# Altium PCB roach2.PcbDoc (part 25 of 39) (continued)
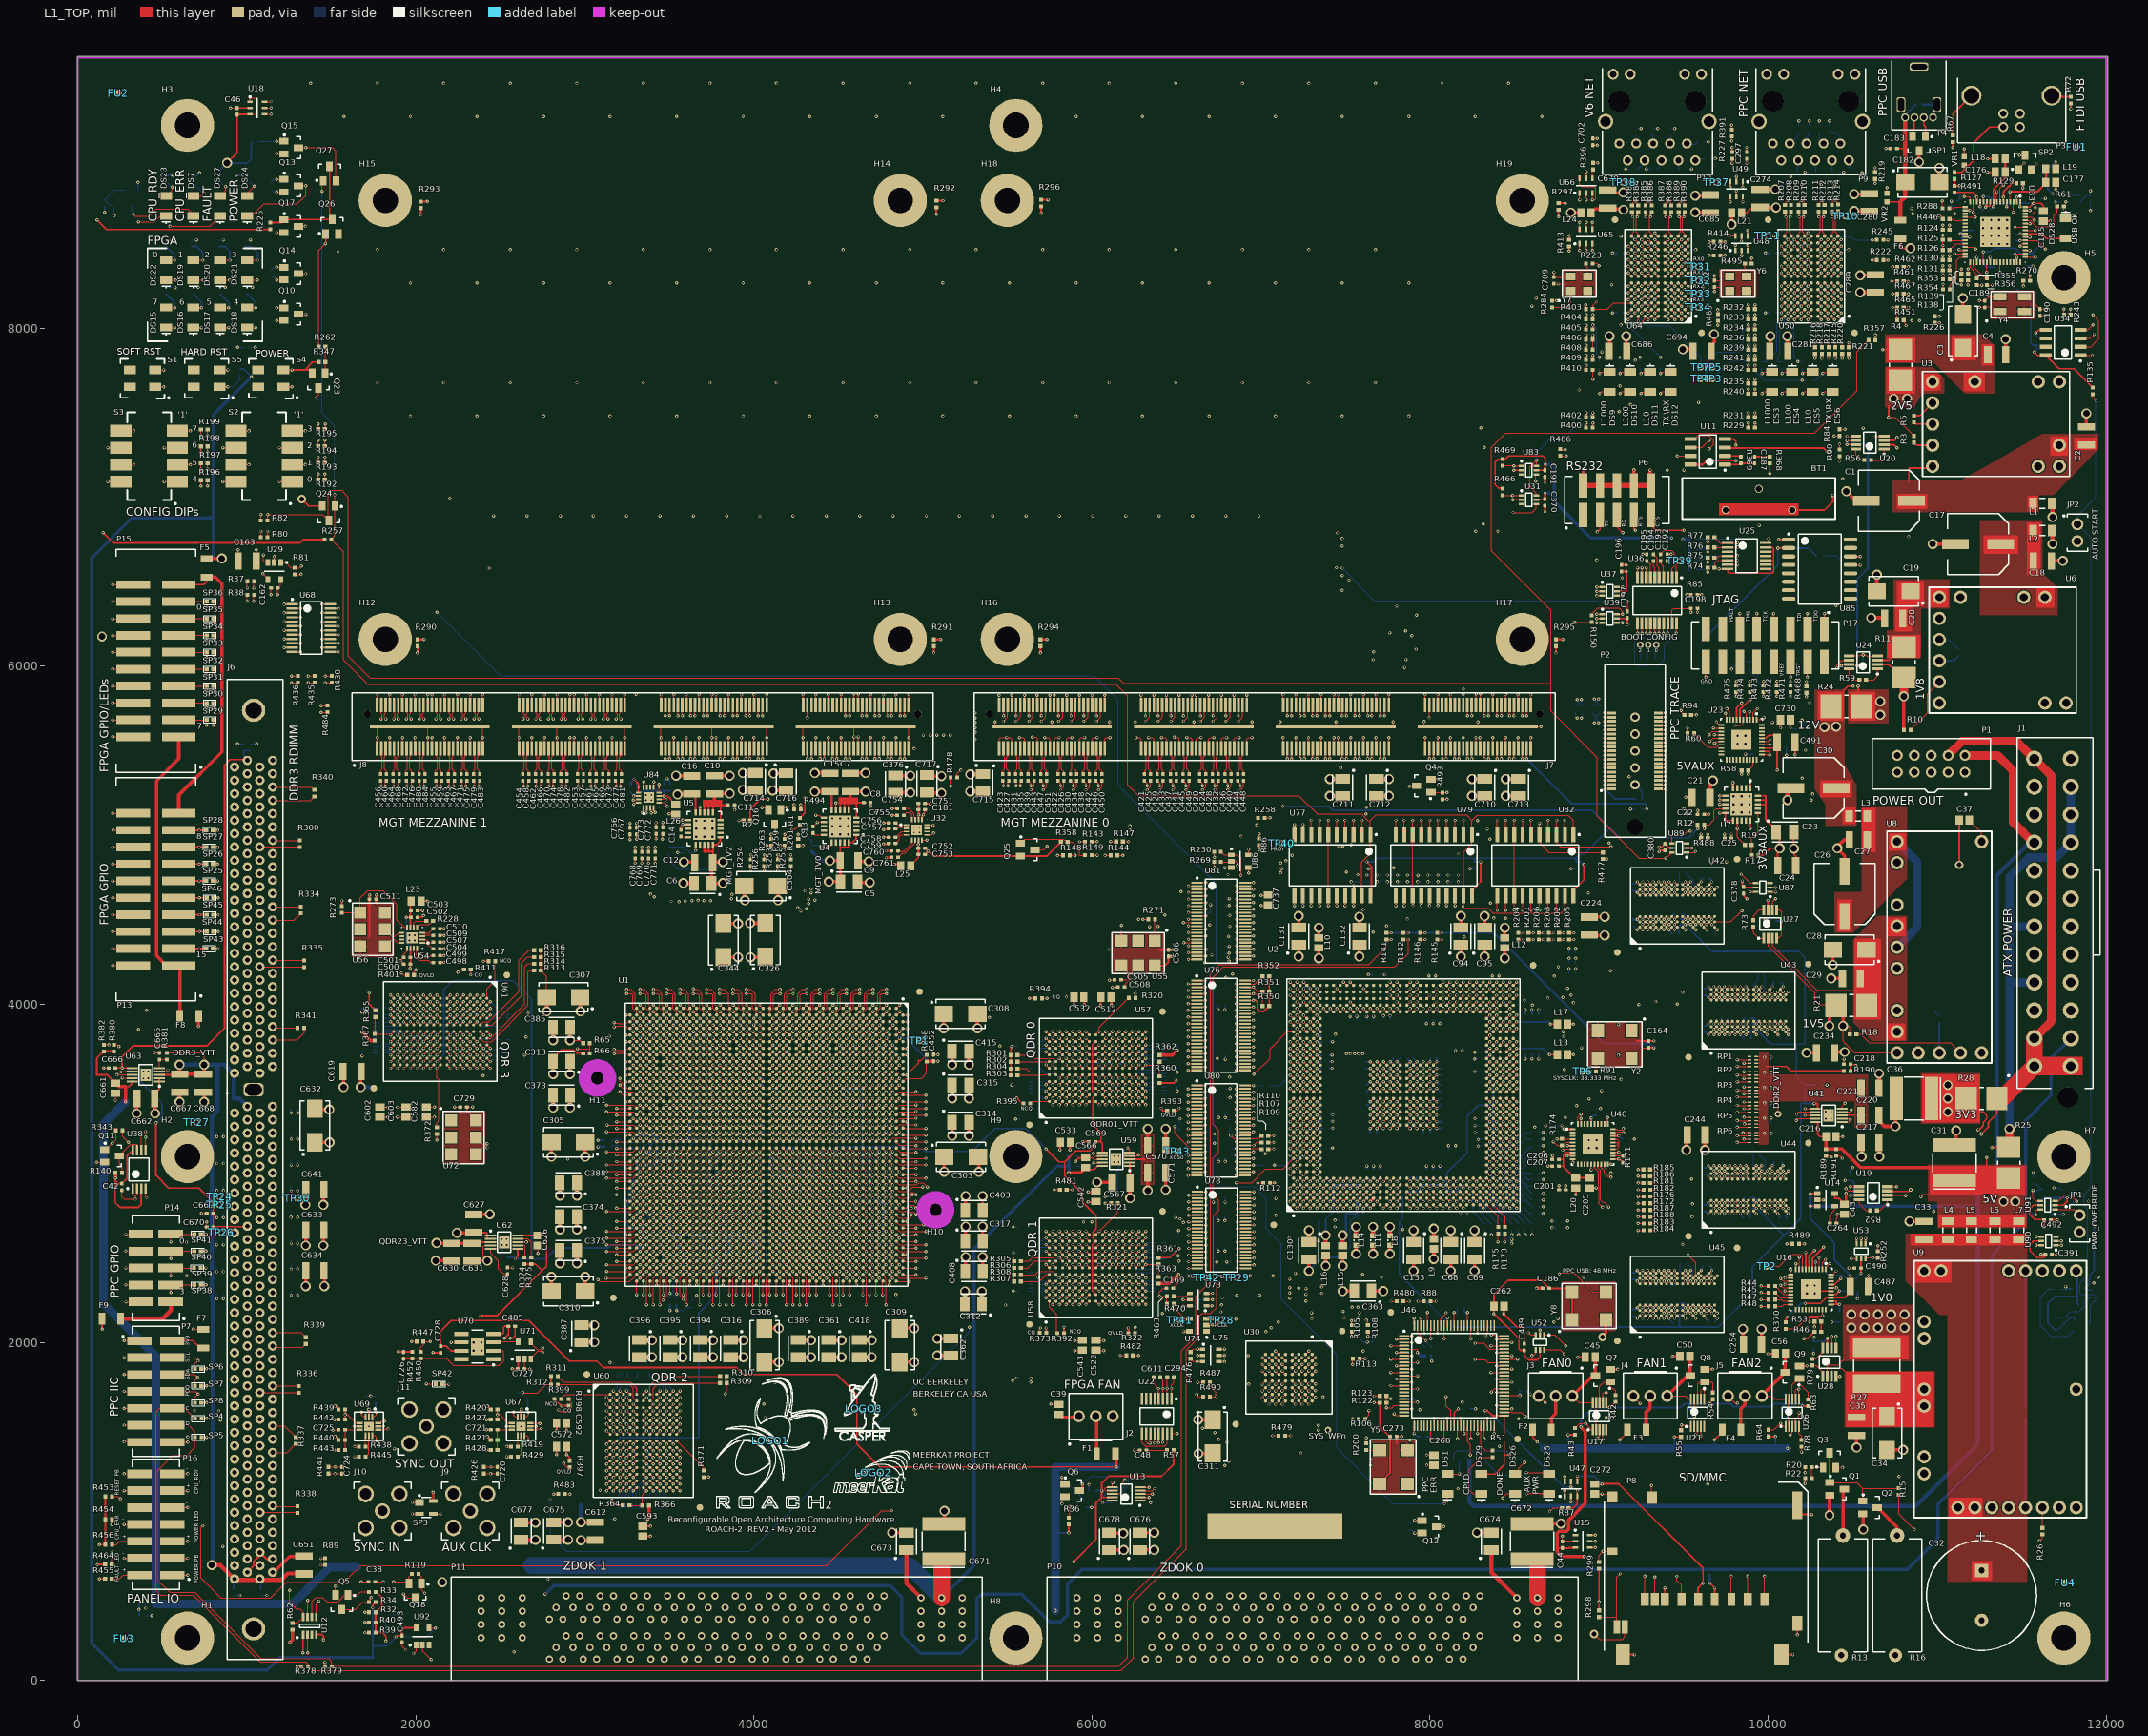
[diagram p0: L1_TOP view]
## Nets (pads, with @x,y where several pads share a name; then routed paths per layer and width w, separated by ;. In a path a pad name is that pad's centre, name@x,y a point inside that pad or via, vN(x,y) a via of type N, cw(c..) or ccw(c..) an arc to the next point about the centre after c; other vN are vias at no path point) (continued)
  L1_TOP w5: U2.AM27@8413.86,3837.01 v1(8433.54,3856.69) ; R206.1@8642.99,4383.31 8670.68,4383.31 v2(8670.99,4383.62)
  L12_S w3.8: v1(8433.54,3856.69) 8457.31,3880.46 8457.31,4138.75 8467.56,4148.99 8534.99,4148.99 8670.99,4284.99 8670.99,4298.59 ccw(c8666.59,4298.59) 8666.59,4302.99 8625.66,4302.99 cw(c8625.66,4307.39) 8621.26,4307.39 cw(c8625.66,4307.39) 8625.66,4311.79 8702.67,4311.79 ccw(c8702.67,4316.19) 8707.07,4316.19 ccw(c8702.67,4316.19) 8702.67,4320.59 8675.39,4320.59 cw(c8675.39,4324.99) 8670.99,4324.99 v2(8670.99,4383.62)
NetR206_2: R206.2 U50.E2 | length 5376.2
  L1_TOP w5: R206.2@8642.99,4422.68 8670.68,4422.68 v2(8670.99,4422.99) ; U50.E2@10374.02,8228.35 v1(10393.7,8208.66)
  L5_S w3.8: v2(8670.99,4422.99) 8670.99,4466.99 8713.59,4509.59 8713.59,4564.02 8711.19,4566.42 8711.19,5068.53 8721.39,5078.73 8721.39,5083.89 8741.53,5104.02 8757.65,5104.02 8956.59,5302.96 8956.59,5603.21 8929.09,5630.71 8929.09,5829.1 9054.59,5954.6 9054.59,7131.33 9047.79,7138.13 9047.79,7227.8 9210.39,7390.39 9219.19,7390.39 cw(c9219.19,7385.99) 9223.59,7385.99 9223.59,7382.94 ccw(c9227.99,7382.94) 9227.99,7378.54 ccw(c9227.99,7382.94) 9232.39,7382.94 9232.39,7385.99 cw(c9236.79,7385.99) 9236.79,7390.39 9534.99,7390.39 9774.59,7629.99 9774.59,8219.63 9897.34,8342.37 10400.16,8342.37 10409.3,8333.23 10409.3,8224.26 v1(10393.7,8208.66)
NetR215_1: R215.1 U2.AL28 | length 6343.8
  L1_TOP w5: U2.AL28@8374.49,3876.38 v1(8394.17,3896.06) ; v2(10397.99,7821.73) R215.1@10397.99,7848.31
  L5_S w3.8: v1(8394.17,3896.06) 8411.48,3896.06 8427.08,3880.46 8440.01,3880.46 8449.14,3889.6 8449.14,3894.36 8466.82,3912.03 8502.03,3912.03 8508.99,3918.99 8540.99,3918.99 8578.59,3956.59 8578.59,3992.59 8588.99,4002.99 8588.99,4055.59 8688.62,4155.22 8724.7,4155.22 8728.53,4151.39 8891.86,4151.39 8932.39,4191.92 8932.39,4564.56 8843.59,4653.36 8843.59,4789.53 8850.59,4796.53 8850.59,4959.56 9115.59,5224.56 9115.59,5772.63 9188.56,5845.59 9276.63,5845.59 9785,6353.97 9785,7090 9719.59,7155.41 9719.59,7327.83 9787.36,7395.59 9957.59,7395.59 9992.99,7430.99 10219.19,7430.99 cw(c10219.19,7426.59) 10223.59,7426.59 10223.59,7401.19 ccw(c10227.99,7401.19) 10227.99,7396.79 ccw(c10227.99,7401.19) 10232.39,7401.19 10232.39,7464.79 cw(c10236.79,7464.79) 10236.79,7469.19 cw(c10236.79,7464.79) 10241.19,7464.79 10241.19,7401.19 ccw(c10245.59,7401.19) 10245.59,7396.79 ccw(c10245.59,7401.19) 10249.99,7401.19 10249.99,7464.79 cw(c10254.39,7464.79) 10254.39,7469.19 cw(c10254.39,7464.79) 10258.79,7464.79 10258.79,7401.19 ccw(c10263.19,7401.19) 10263.19,7396.79 ccw(c10263.19,7401.19) 10267.59,7401.19 10267.59,7464.79 cw(c10271.99,7464.79) 10271.99,7469.19 cw(c10271.99,7464.79) 10276.39,7464.79 10276.39,7401.19 ccw(c10280.79,7401.19) 10280.79,7396.79 ccw(c10280.79,7401.19) 10285.19,7401.19 10285.19,7464.79 cw(c10289.59,7464.79) 10289.59,7469.19 cw(c10289.59,7464.79) 10293.99,7464.79 10293.99,7401.19 ccw(c10298.39,7401.19) 10298.39,7396.79 ccw(c10298.39,7401.19) 10302.79,7401.19 10302.79,7464.79 cw(c10307.19,7464.79) 10307.19,7469.19 cw(c10307.19,7464.79) 10311.59,7464.79 10311.59,7401.19 ccw(c10315.99,7401.19) 10315.99,7396.79 ccw(c10315.99,7401.19) 10320.39,7401.19 10320.39,7473.54 cw(c10324.79,7473.54) 10324.79,7477.94 cw(c10324.79,7473.54) 10329.19,7473.54 10329.19,7435.39 ccw(c10333.59,7435.39) 10333.59,7430.99 10342.39,7430.99 10356.51,7445.11 10356.51,7521.48 10397.99,7562.96 v2(10397.99,7821.73)
NetR215_2: R215.2 U50.B2 | length 361.6
  L1_TOP w5: U50.B2@10374.02,8110.24 v1(10393.7,8090.55) ; R215.2@10397.99,7887.68 v3(10397.99,7914.26)
  L3_S w3.8: v1(10393.7,8090.55) 10412.99,8071.26 10412.99,8018.99 10397.99,8003.99 10397.99,7952.99 ccw(c10402.39,7952.99) 10402.39,7948.59 10425.12,7948.59 cw(c10425.12,7944.19) 10429.52,7944.19 cw(c10425.12,7944.19) 10425.12,7939.79 10370.86,7939.79 ccw(c10370.86,7935.39) 10366.46,7935.39 ccw(c10370.86,7935.39) 10370.86,7930.99 10397.99,7930.99 v3(10397.99,7914.26)
NetR216_1: R216.1 U2.AP29 | length 6295.3
  L1_TOP w5: U2.AP29@8492.6,3915.75 v1(8512.28,3935.43) ; v2(10277.99,7821.73) R216.1@10277.99,7848.31
  L5_S w3.8: v2(8758.99,4220.99) 8777.36,4202.62 8809.3,4202.62 8816.53,4195.39 8868.83,4195.39 8884.99,4211.56 8884.99,4544.93 8796.19,4633.73 8796.19,4972.19 9068.19,5244.19 9068.19,5792.26 9168.93,5892.99 9256.99,5892.99 9672.19,6308.19 9672.19,7347.46 9767.73,7442.99 9864.66,7442.99 9876.85,7455.17 9929.14,7455.17 9941.32,7442.99 9954.99,7442.99 10064.99,7552.99 ; 10064.99,7548.59 10064.99,7552.99 ; v2(10277.99,7821.73) 10277.99,7798.99 10329.1,7747.88 10330.4,7747.88 10350.59,7727.69 10350.59,7582.59 10320.99,7552.99 10196.99,7552.99 ccw(c10196.99,7548.59) 10192.59,7548.59 10192.59,7532.25 cw(c10188.19,7532.25) 10188.19,7527.85 cw(c10188.19,7532.25) 10183.79,7532.25 10183.79,7607.54 ccw(c10179.39,7607.54) 10179.39,7611.94 ccw(c10179.39,7607.54) 10174.99,7607.54 10174.99,7532.25 cw(c10170.59,7532.25) 10170.59,7527.85 cw(c10170.59,7532.25) 10166.19,7532.25 10166.19,7607.54 ccw(c10161.79,7607.54) 10161.79,7611.94 ccw(c10161.79,7607.54) 10157.39,7607.54 10157.39,7532.25 cw(c10152.99,7532.25) 10152.99,7527.85 cw(c10152.99,7532.25) 10148.59,7532.25 10148.59,7607.54 ccw(c10144.19,7607.54) 10144.19,7611.94 ccw(c10144.19,7607.54) 10139.79,7607.54 10139.79,7532.25 cw(c10135.39,7532.25) 10135.39,7527.85 cw(c10135.39,7532.25) 10130.99,7532.25 10130.99,7607.54 ccw(c10126.59,7607.54) 10126.59,7611.94 ccw(c10126.59,7607.54) 10122.19,7607.54 10122.19,7532.25 cw(c10117.79,7532.25) 10117.79,7527.85 cw(c10117.79,7532.25) 10113.39,7532.25 10113.39,7607.54 ccw(c10108.99,7607.54) 10108.99,7611.94 ccw(c10108.99,7607.54) 10104.59,7607.54 10104.59,7532.25 cw(c10100.19,7532.25) 10100.19,7527.85 cw(c10100.19,7532.25) 10095.79,7532.25 10095.79,7594.56 ccw(c10091.39,7594.56) 10091.39,7598.96 ccw(c10091.39,7594.56) 10086.99,7594.56 10086.99,7532.25 cw(c10082.59,7532.25) 10082.59,7527.85 cw(c10082.59,7532.25) 10078.19,7532.25 10078.19,7548.59 ccw(c10073.79,7548.59) 10073.79,7552.99 10064.99,7552.99
  L14_S w3.8: v1(8512.28,3935.43) 8512.73,3934.99 8650.99,3934.99 8758.99,4042.99 v2(8758.99,4220.99)
NetR216_2: R216.2 U50.D3 | length 361.6
  L1_TOP w5: R216.2@10277.99,7887.68 v3(10277.99,7914.26) ; U50.D3@10334.65,8188.98 v1(10354.33,8169.29)
  L3_S w3.8: v3(10277.99,7914.26) 10277.99,8127.99 10300.99,8150.99 10336.03,8150.99 v1(10354.33,8169.29)
NetR217_1: R217.1 U2.AM28 | length 6295.3
  L1_TOP w5: U2.AM28@8413.86,3876.38 v1(8433.54,3896.06) ; v2(10357.99,7821.73) R217.1@10357.99,7848.31
  L5_S w3.8: v1(8433.54,3896.06) 8457.31,3919.83 8485.83,3919.83 8496.68,3930.68 8496.68,3941.9 8505.82,3951.03 8517.03,3951.03 8578.99,4012.99 8578.99,4061.39 8688.62,4171.02 8716.96,4171.02 8728.53,4182.59 8784.64,4182.59 8797.26,4169.97 8888.1,4169.97 8916.59,4198.47 8916.59,4558.01 8827.79,4646.81 8827.79,4788.13 8819.39,4796.53 8819.39,4950.7 9099.79,5231.1 9099.79,5779.17 9182.01,5861.39 9270.08,5861.39 9703.79,6295.1 9703.79,6560.3 9694.33,6569.76 9694.33,6608.27 9703.79,6617.73 9703.79,7334.37 9780.81,7411.39 9947.39,7411.39 10012.99,7476.99 10016.99,7476.99 ccw(c10016.99,7481.39) 10021.39,7481.39 10021.39,7483.25 cw(c10025.79,7483.25) 10025.79,7487.65 cw(c10025.79,7483.25) 10030.19,7483.25 10030.19,7444.48 ccw(c10034.59,7444.48) 10034.59,7440.08 ccw(c10034.59,7444.48) 10038.99,7444.48 10038.99,7500.85 cw(c10043.39,7500.85) 10043.39,7505.25 cw(c10043.39,7500.85) 10047.79,7500.85 10047.79,7444.48 ccw(c10052.19,7444.48) 10052.19,7440.08 ccw(c10052.19,7444.48) 10056.59,7444.48 10056.59,7505.51 cw(c10060.99,7505.51) 10060.99,7509.91 cw(c10060.99,7505.51) 10065.39,7505.51 10065.39,7444.48 ccw(c10069.79,7444.48) 10069.79,7440.08 ccw(c10069.79,7444.48) 10074.19,7444.48 10074.19,7505.51 cw(c10078.59,7505.51) 10078.59,7509.91 cw(c10078.59,7505.51) 10082.99,7505.51 10082.99,7444.48 ccw(c10087.39,7444.48) 10087.39,7440.08 ccw(c10087.39,7444.48) 10091.79,7444.48 10091.79,7472.59 cw(c10096.19,7472.59) 10096.19,7476.99 cw(c10096.19,7472.59) 10100.59,7472.59 10100.59,7444.48 ccw(c10104.99,7444.48) 10104.99,7440.08 ccw(c10104.99,7444.48) 10109.39,7444.48 10109.39,7472.59 cw(c10113.79,7472.59) 10113.79,7476.99 cw(c10113.79,7472.59) 10118.19,7472.59 10118.19,7444.48 ccw(c10122.59,7444.48) 10122.59,7440.08 ccw(c10122.59,7444.48) 10126.99,7444.48 10126.99,7472.59 cw(c10131.39,7472.59) 10131.39,7476.99 cw(c10131.39,7472.59) 10135.79,7472.59 10135.79,7444.48 ccw(c10140.19,7444.48) 10140.19,7440.08 ccw(c10140.19,7444.48) 10144.59,7444.48 10144.59,7472.59 cw(c10148.99,7472.59) 10148.99,7476.99 cw(c10148.99,7472.59) 10153.39,7472.59 10153.39,7444.48 ccw(c10157.79,7444.48) 10157.79,7440.08 ccw(c10157.79,7444.48) 10162.19,7444.48 10162.19,7472.59 cw(c10166.59,7472.59) 10166.59,7476.99 cw(c10166.59,7472.59) 10170.99,7472.59 10170.99,7444.48 ccw(c10175.39,7444.48) 10175.39,7440.08 ccw(c10175.39,7444.48) 10179.79,7444.48 10179.79,7472.59 cw(c10184.19,7472.59) 10184.19,7476.99 cw(c10184.19,7472.59) 10188.59,7472.59 10188.59,7444.48 ccw(c10192.99,7444.48) 10192.99,7440.08 ccw(c10192.99,7444.48) 10197.39,7444.48 10197.39,7472.59 cw(c10201.79,7472.59) 10201.79,7476.99 cw(c10201.79,7472.59) 10206.19,7472.59 10206.19,7444.48 ccw(c10210.59,7444.48) 10210.59,7440.08 ccw(c10210.59,7444.48) 10214.99,7444.48 10214.99,7472.59 cw(c10219.39,7472.59) 10219.39,7476.99 10310.99,7476.99 10345.34,7511.34 10345.34,7532.65 10382.19,7569.5 10382.19,7774.79 10357.99,7798.99 v2(10357.99,7821.73)
NetR217_2: R217.2 U50.C3 | length 361.6
  L1_TOP w5: U50.C3@10334.65,8149.61 v1(10354.33,8129.92) ; R217.2@10357.99,7887.68 v3(10357.99,7914.26)
  L3_S w3.8: v1(10354.33,8129.92) 10369.93,8114.32 10369.93,8027.93 10357.99,8015.99 10357.99,7972.99 ccw(c10362.39,7972.99) 10362.39,7968.59 10382.74,7968.59 cw(c10382.74,7964.19) 10387.14,7964.19 cw(c10382.74,7964.19) 10382.74,7959.79 10345.82,7959.79 ccw(c10345.82,7955.39) 10341.42,7955.39 ccw(c10345.82,7955.39) 10345.82,7950.99 10353.59,7950.99 cw(c10353.59,7946.59) 10357.99,7946.59 v3(10357.99,7914.26)
NetR218_1: R218.1 U2.AN29 | length 6295.3
  L1_TOP w5: U2.AN29@8453.23,3915.75 v1(8472.91,3935.43) ; v2(10317.99,7821.73) R218.1@10317.99,7848.31
  L5_S w3.8: v1(8472.91,3935.43) 8528.99,3991.51 8528.99,4044.99 8670.82,4186.82 8721.73,4186.82 8725.3,4190.39 8799.19,4190.39 8808.43,4181.15 8876.92,4181.15 8900.79,4205.01 8900.79,4551.47 8811.99,4640.27 8811.99,4781.59 8811.59,4781.99 8811.59,4965.25 9083.99,5237.65 9083.99,5785.71 9175.47,5877.19 9263.54,5877.19 9687.99,6301.65 9687.99,6553.75 9686.53,6555.21 9686.53,6622.82 9687.99,6624.28 9687.99,7243.39 cw(c9691.59,7243.39) 9691.59,7246.99 ; 9691.19,7246.99 ccw(c9691.19,7251.39) 9695.59,7251.39 ccw(c9691.19,7251.39) 9691.19,7255.79 9684.79,7255.79 cw(c9684.79,7260.19) 9680.39,7260.19 cw(c9684.79,7260.19) 9684.79,7264.59 9691.19,7264.59 ccw(c9691.19,7268.99) 9695.59,7268.99 ccw(c9691.19,7268.99) 9691.19,7273.39 9684.79,7273.39 cw(c9684.79,7277.79) 9680.39,7277.79 cw(c9684.79,7277.79) 9684.79,7282.19 9691.19,7282.19 ccw(c9691.19,7286.59) 9695.59,7286.59 ccw(c9691.19,7286.59) 9691.19,7290.99 9684.79,7290.99 cw(c9684.79,7295.39) 9680.39,7295.39 cw(c9684.79,7295.39) 9684.79,7299.79 9691.59,7299.79 ccw(c9691.59,7304.19) 9695.99,7304.19 ccw(c9691.59,7304.19) 9691.59,7308.59 cw(c9691.59,7312.19) 9687.99,7312.19 9687.99,7340.91 9774.27,7427.19 9873.63,7427.19 9876.85,7423.97 9929.14,7423.97 9932.36,7427.19 9951.19,7427.19 10042.99,7518.99 10098.14,7518.99 cw(c10098.14,7514.59) 10102.54,7514.59 10102.54,7489.19 ccw(c10106.94,7489.19) 10106.94,7484.79 ccw(c10106.94,7489.19) 10111.34,7489.19 10111.34,7514.59 cw(c10115.74,7514.59) 10115.74,7518.99 cw(c10115.74,7514.59) 10120.14,7514.59 10120.14,7489.19 ccw(c10124.54,7489.19) 10124.54,7484.79 ccw(c10124.54,7489.19) 10128.94,7489.19 10128.94,7514.59 cw(c10133.34,7514.59) 10133.34,7518.99 cw(c10133.34,7514.59) 10137.74,7514.59 10137.74,7489.19 ccw(c10142.14,7489.19) 10142.14,7484.79 ccw(c10142.14,7489.19) 10146.54,7489.19 10146.54,7514.59 cw(c10150.94,7514.59) 10150.94,7518.99 cw(c10150.94,7514.59) 10155.34,7514.59 10155.34,7489.19 ccw(c10159.74,7489.19) 10159.74,7484.79 ccw(c10159.74,7489.19) 10164.14,7489.19 10164.14,7514.59 cw(c10168.54,7514.59) 10168.54,7518.99 cw(c10168.54,7514.59) 10172.94,7514.59 10172.94,7489.19 ccw(c10177.34,7489.19) 10177.34,7484.79 ccw(c10177.34,7489.19) 10181.74,7489.19 10181.74,7514.59 cw(c10186.14,7514.59) 10186.14,7518.99 cw(c10186.14,7514.59) 10190.54,7514.59 10190.54,7489.19 ccw(c10194.94,7489.19) 10194.94,7484.79 ccw(c10194.94,7489.19) 10199.34,7489.19 10199.34,7526.43 cw(c10203.74,7526.43) 10203.74,7530.83 cw(c10203.74,7526.43) 10208.14,7526.43 10208.14,7489.19 ccw(c10212.54,7489.19) 10212.54,7484.79 ccw(c10212.54,7489.19) 10216.94,7489.19 10216.94,7540.79 cw(c10221.34,7540.79) 10221.34,7545.19 cw(c10221.34,7540.79) 10225.74,7540.79 10225.74,7489.19 ccw(c10230.14,7489.19) 10230.14,7484.79 ccw(c10230.14,7489.19) 10234.54,7489.19 10234.54,7540.79 cw(c10238.94,7540.79) 10238.94,7545.19 cw(c10238.94,7540.79) 10243.34,7540.79 10243.34,7489.19 ccw(c10247.74,7489.19) 10247.74,7484.79 ccw(c10247.74,7489.19) 10252.14,7489.19 10252.14,7540.79 cw(c10256.54,7540.79) 10256.54,7545.19 cw(c10256.54,7540.79) 10260.94,7540.79 10260.94,7489.19 ccw(c10265.34,7489.19) 10265.34,7484.79 ccw(c10265.34,7489.19) 10269.74,7489.19 10269.74,7540.79 cw(c10274.14,7540.79) 10274.14,7545.19 cw(c10274.14,7540.79) 10278.54,7540.79 10278.54,7489.19 ccw(c10282.94,7489.19) 10282.94,7484.79 ccw(c10282.94,7489.19) 10287.34,7489.19 10287.34,7540.79 cw(c10291.74,7540.79) 10291.74,7545.19 cw(c10291.74,7540.79) 10296.14,7540.79 10296.14,7523.39 ccw(c10300.54,7523.39) 10300.54,7518.99 10309.34,7518.99 10366.39,7576.05 10366.39,7750.59 10317.99,7798.99 v2(10317.99,7821.73) ; 9691.29,7246.99 9691.5,7246.99
NetR218_2: R218.2 U50.B3 | length 361.6
  L1_TOP w5: R218.2@10317.99,7887.68 v3(10317.99,7914.26) ; U50.B3@10334.65,8110.24 v1(10354.33,8090.55)
  L3_S w3.8: v3(10317.99,7914.26) 10330.56,7926.83 10330.56,7974.59 ccw(c10326.16,7974.59) 10326.16,7978.99 10290.6,7978.99 cw(c10290.6,7983.39) 10286.2,7983.39 cw(c10290.6,7983.39) 10290.6,7987.79 10345.38,7987.79 ccw(c10345.38,7992.19) 10349.78,7992.19 ccw(c10345.38,7992.19) 10345.38,7996.59 10334.96,7996.59 cw(c10334.96,8000.99) 10330.56,8000.99 10330.56,8066.78 v1(10354.33,8090.55)
NetR219_1: R219.1 U48.4 | length 999.8
  L1_TOP w5: U48.4@9880.39,8546.3 v2(9880.39,8577.73) ; v2(10632.99,8856.73) R219.1@10632.99,8883.31
  L8_R w3.8: v2(9880.39,8577.73) 9913.65,8610.99 10512.99,8610.99 10632.99,8730.99 v2(10632.99,8856.73)
NetR220_1: R220.1 U2.AJ31 | length 6348.8
  L1_TOP w5: U2.AJ31@8295.75,3994.49 v1(8315.43,4014.17) ; v2(10437.99,7821.73) R220.1@10437.99,7848.31
  L5_S w3.8: v2(8604.99,3994.99) 8604.99,4055.79 8688.62,4139.42 8902.23,4139.42 8948.19,4185.38 8948.19,4571.1 8859.39,4659.9 8859.39,4946.01 9131.39,5218.01 9131.39,5766.08 9195.1,5829.79 9283.17,5829.79 9800,6346.62 9800,7120 9735.39,7184.61 9735.39,7321.28 9793.9,7379.79 9963.79,7379.79 9972.99,7388.99 9990.99,7388.99 ccw(c9990.99,7393.39) 9995.39,7393.39 9995.39,7415.92 cw(c9999.79,7415.92) 9999.79,7420.32 cw(c9999.79,7415.92) 10004.19,7415.92 10004.19,7359.52 ccw(c10008.59,7359.52) 10008.59,7355.12 ccw(c10008.59,7359.52) 10012.99,7359.52 10012.99,7415.92 cw(c10017.39,7415.92) 10017.39,7420.32 cw(c10017.39,7415.92) 10021.79,7415.92 10021.79,7354.07 ccw(c10026.19,7354.07) 10026.19,7349.67 ccw(c10026.19,7354.07) 10030.59,7354.07 10030.59,7415.92 cw(c10034.99,7415.92) 10034.99,7420.32 cw(c10034.99,7415.92) 10039.39,7415.92 10039.39,7354.07 ccw(c10043.79,7354.07) 10043.79,7349.67 ccw(c10043.79,7354.07) 10048.19,7354.07 10048.19,7415.92 cw(c10052.59,7415.92) 10052.59,7420.32 cw(c10052.59,7415.92) 10056.99,7415.92 10056.99,7354.07 ccw(c10061.39,7354.07) 10061.39,7349.67 ccw(c10061.39,7354.07) 10065.79,7354.07 10065.79,7415.92 cw(c10070.19,7415.92) 10070.19,7420.32 cw(c10070.19,7415.92) 10074.59,7415.92 10074.59,7354.07 ccw(c10078.99,7354.07) 10078.99,7349.67 ccw(c10078.99,7354.07) 10083.39,7354.07 10083.39,7415.92 cw(c10087.79,7415.92) 10087.79,7420.32 cw(c10087.79,7415.92) 10092.19,7415.92 10092.19,7354.07 ccw(c10096.59,7354.07) 10096.59,7349.67 ccw(c10096.59,7354.07) 10100.99,7354.07 10100.99,7384.59 cw(c10105.39,7384.59) 10105.39,7388.99 10348.19,7388.99 10367.68,7408.48 10367.68,7510.3 10413.79,7556.41 10413.79,7774.79 10437.99,7798.99 v2(10437.99,7821.73)
  L14_S w3.8: v1(8315.43,4014.17) 8334.62,3994.99 v2(8604.99,3994.99)
NetR220_2: R220.2 U50.B1 | length 359.3
  L1_TOP w5: U50.B1@10413.39,8110.24 v1(10433.07,8090.55) ; R220.2@10437.99,7887.68 v3(10437.99,7914.26)
  L3_S w3.8: v1(10433.07,8090.55) 10448.99,8074.63 10448.99,8004.99 10437.99,7993.99 10437.99,7989.39 ccw(c10442.39,7989.39) 10442.39,7984.99 10465.79,7984.99 cw(c10465.79,7980.59) 10470.19,7980.59 cw(c10465.79,7980.59) 10465.79,7976.19 10410.19,7976.19 ccw(c10410.19,7971.79) 10405.79,7971.79 ccw(c10410.19,7971.79) 10410.19,7967.39 10433.59,7967.39 cw(c10433.59,7962.99) 10437.99,7962.99 v3(10437.99,7914.26)
NetR221_1: R221.1 U2.AN28 | length 6380.2
  L1_TOP w5: U2.AN28@8453.23,3876.38 v1(8472.91,3896.06) ; v2(10477.99,7821.73) R221.1@10477.99,7848.31
  L5_S w3.8: v1(8472.91,3896.06) 8488.51,3880.46 8524.46,3880.46 8597.39,3953.39 8609.45,3953.39 8618.59,3962.53 8618.59,3974.59 8634.99,3990.99 8634.99,4016.99 8741.62,4123.62 8908.78,4123.62 8963.99,4178.84 8963.99,4577.65 8875.19,4666.45 8875.19,4939.47 9147.19,5211.47 9147.19,5759.54 9201.65,5813.99 9289.71,5813.99 9855,6379.28 9855,7110 9751.19,7213.81 9751.19,7314.74 9800.45,7363.99 9983.99,7363.99 10008.99,7338.99 10112.99,7338.99 ccw(c10112.99,7343.39) 10117.39,7343.39 10117.39,7374.46 cw(c10121.79,7374.46) 10121.79,7378.86 cw(c10121.79,7374.46) 10126.19,7374.46 10126.19,7308.73 ccw(c10130.59,7308.73) 10130.59,7304.33 ccw(c10130.59,7308.73) 10134.99,7308.73 10134.99,7374.46 cw(c10139.39,7374.46) 10139.39,7378.86 cw(c10139.39,7374.46) 10143.79,7374.46 10143.79,7308.73 ccw(c10148.19,7308.73) 10148.19,7304.33 ccw(c10148.19,7308.73) 10152.59,7308.73 10152.59,7374.46 cw(c10156.99,7374.46) 10156.99,7378.86 cw(c10156.99,7374.46) 10161.39,7374.46 10161.39,7308.73 ccw(c10165.79,7308.73) 10165.79,7304.33 ccw(c10165.79,7308.73) 10170.19,7308.73 10170.19,7374.46 cw(c10174.59,7374.46) 10174.59,7378.86 cw(c10174.59,7374.46) 10178.99,7374.46 10178.99,7308.73 ccw(c10183.39,7308.73) 10183.39,7304.33 ccw(c10183.39,7308.73) 10187.79,7308.73 10187.79,7374.46 cw(c10192.19,7374.46) 10192.19,7378.86 cw(c10192.19,7374.46) 10196.59,7374.46 10196.59,7308.73 ccw(c10200.99,7308.73) 10200.99,7304.33 ccw(c10200.99,7308.73) 10205.39,7308.73 10205.39,7374.46 cw(c10209.79,7374.46) 10209.79,7378.86 cw(c10209.79,7374.46) 10214.19,7374.46 10214.19,7308.73 ccw(c10218.59,7308.73) 10218.59,7304.33 ccw(c10218.59,7308.73) 10222.99,7308.73 10222.99,7334.59 cw(c10227.39,7334.59) 10227.39,7338.99 10345.99,7338.99 10375.96,7368.96 10375.96,7496.24 10429.59,7549.87 10429.59,7724.57 10428.34,7725.82 10428.34,7749.34 10477.99,7798.99 v2(10477.99,7821.73)
NetR221_2: R221.2 U50.C1 | length 361.6
  L1_TOP w5: U50.C1@10413.39,8149.61 v1(10433.07,8129.92) ; R221.2@10477.99,7887.68 v2(10477.99,7914.26)
  L3_S w3.8: v1(10433.07,8129.92) 10477.99,8085 10477.99,7962.99 ccw(c10482.39,7962.99) 10482.39,7958.59 10488.35,7958.59 cw(c10488.35,7954.19) 10492.75,7954.19 cw(c10488.35,7954.19) 10488.35,7949.79 10455.03,7949.79 ccw(c10455.03,7945.39) 10450.63,7945.39 ccw(c10455.03,7945.39) 10455.03,7940.99 10473.59,7940.99 cw(c10473.59,7936.59) 10477.99,7936.59 v2(10477.99,7914.26)
NetR222_1: R222.1 U2.AJ33 | length 6368.7
  L1_TOP w5: U2.AJ33@8295.75,4073.23 v1(8315.43,4092.91) ; R222.1@10682.68,8402.99 v2(10709.26,8402.99)
  L5_S w3.8: v2(8696.99,4036.99) 8767.82,4107.82 8803.76,4107.82 8806.53,4110.59 8918.09,4110.59 8979.79,4172.29 8979.79,4584.19 8890.99,4672.99 8890.99,4932.93 9162.99,5204.93 9162.99,5752.99 9208.19,5798.19 9296.26,5798.19 9869.74,6371.67 9869.74,7125 9766.99,7227.74 9766.99,7237.39 cw(c9771.39,7237.39) 9771.39,7241.79 9773.47,7241.79 ccw(c9773.47,7246.19) 9777.87,7246.19 ccw(c9773.47,7246.19) 9773.47,7250.59 9771.39,7250.59 cw(c9771.39,7254.99) 9766.99,7254.99 9766.99,7308.19 9806.99,7348.19 9954.57,7348.19 9960.97,7354.59 9978.59,7354.59 10038.99,7294.19 10348.99,7294.19 10407.16,7352.36 10407.16,7505.09 10445.39,7543.33 10445.39,7711.68 10500.99,7767.28 10500.99,7842.99 10576.99,7918.99 10576.99,8038.99 10709.26,8171.26 v2(10709.26,8402.99)
  L14_S w3.8: v1(8315.43,4092.91) 8339.2,4069.14 8578.84,4069.14 8610.99,4036.99 v2(8696.99,4036.99)
NetR222_2: R222.2 U50.K2 | length 361.6
  L1_TOP w5: U50.K2@10374.02,8425.2 v1(10393.7,8444.88) ; v2(10616.72,8402.99) R222.2@10643.31,8402.99
  L3_S w3.8: v1(10393.7,8444.88) 10415.59,8422.99 10456.99,8422.99 10476.99,8402.99 10486.99,8402.99 ccw(c10486.99,8407.39) 10491.39,8407.39 10491.39,8435.77 cw(c10495.79,8435.77) 10495.79,8440.17 cw(c10495.79,8435.77) 10500.19,8435.77 10500.19,8407.39 ccw(c10504.59,8407.39) 10504.59,8402.99 v2(10616.72,8402.99)
NetR223_1: R223.1 Y7.3 | length 80.7
  L1_TOP w5: R223.1@8923.31,8382.99 8923.31,8366.69 8932.99,8357.01 Y7.3@8932.99,8306.3
NetR226_1: R226.1 U33.58 | length 989.4
  L1_TOP w5: R226.1@10986.19,8070.68 v2(11012.77,8070.68) ; v3(11460.68,8598.52) U33.58@11521.14,8598.52
  L5_S w3.94: v2(11012.77,8070.68) 11012.77,8206.88 11050.78,8244.89 11050.78,8266.09 11048.97,8267.9 11048.97,8307.1 11050.47,8308.59 11050.47,8326.41 11048.97,8327.9 11048.97,8454.97 11114,8520 11432,8520 11460.68,8548.68 v3(11460.68,8598.52)
NetR227_1: R227.1 U49.4 | length 312
  L1_TOP w5: v2(9775.59,8748.25) U49.4@9775.59,8779.68 ; v2(9787.99,8976.73) R227.1@9787.99,9003.31
  L8_R w3.8: v2(9775.59,8748.25) 9775.59,8784.39 9750.99,8808.99 9750.99,8939.73 v2(9787.99,8976.73)
NetR228_1: R228.1 U54.6 | length 108
  L1_TOP w5: U54.6@1987.83,4454.02 1987.83,4479.83 2000.99,4492.99 2056.99,4492.99 2058.99,4494.99 R228.1@2063.31,4492.99
NetR228_2: R228.2 U54.5 | length 115.7
  L1_TOP w5: U54.5@2007.52,4454.02 2007.52,4461.52 2016.99,4470.99 2080.68,4470.99 R228.2@2102.68,4492.99
NetR229_2: R229.2 U50.L4 | length 1365.2
  L1_TOP w5: R229.2@9922.68,7412.99 v2(9922.68,7439.57) ; U50.L4@10295.28,8464.57 v1(10314.96,8484.25)
  L8_R w3.8: v2(9922.68,7439.57) 10032.1,7548.99 10208.99,7548.99 10256.99,7596.99 10256.99,8426.28 v1(10314.96,8484.25)
NetR231_2: R231.2 U50.K3 | length 1621.9
  L1_TOP w5: R231.2@9883.31,7472.99 v2(9883.31,7499.57) ; U50.K3@10334.65,8425.2 v1(10354.33,8444.88)
  L8_R w3.8: v2(9883.31,7499.57) 9852.99,7469.26 9852.99,7400.99 9862.99,7390.99 9936.99,7390.99 9984.99,7438.99 9984.99,7478.99 10022.99,7516.99 10204.99,7516.99 10293.59,7605.59 10293.59,7963.39 10277.99,7978.99 10277.99,8405.99 10301.28,8429.28 10321.42,8429.28 10337.02,8444.88 v1(10354.33,8444.88)
NetR232_2: R232.2 U50.G8 | length 479.9
  L1_TOP w5: R232.2@9883.31,8112.99 v2(9883.31,8139.57) ; v1(10118.11,8326.77) U50.G8@10137.8,8307.09
  L8_R w3.8: v2(9883.31,8139.57) 9883.31,8310.69 9914.99,8342.37 10102.51,8342.37 v1(10118.11,8326.77)
NetR233_2: R233.2 U50.G9 | length 479.3
  L1_TOP w5: R233.2@9883.31,8052.99 v2(9883.31,8079.57) ; v1(10078.74,8326.77) U50.G9@10098.43,8307.09
  L8_R w3.8: v2(9883.31,8079.57) 9898.99,8095.26 9898.99,8312.1 9913.66,8326.77 v1(10078.74,8326.77)
NetR234_2: R234.2 U50.F9 | length 440.4
  L1_TOP w5: R234.2@9883.31,7992.99 v2(9883.31,8019.57) ; v1(10078.74,8248.03) U50.F9@10098.43,8267.72
  L8_R w3.8: v2(9883.31,8019.57) 9883.31,8057.51 9906.79,8081 9906.79,8189.16 9930.85,8213.22 9930.85,8230.85 9948.03,8248.03 v1(10078.74,8248.03)
NetR236_2: R236.2 U50.G7 | length 738.2
  L1_TOP w5: R236.2@9883.31,7932.99 v2(9883.31,7959.57) ; v1(10157.48,8326.77) U50.G7@10177.17,8307.09
  L8_R w3.8: v2(9883.31,7959.57) 9862.99,7979.89 9862.99,8316.54 9896.99,8350.54 10133.71,8350.54 v1(10157.48,8326.77)
NetR238_2: R238.2 U2.AL27 | length 795.5
  L1_TOP w5: U2.AL27@8374.49,3837.01 v1(8394.17,3856.69)
  L14_S w3.8: v1(8394.17,3856.69) 8417.94,3880.46 8440.01,3880.46 8449.14,3889.6 8449.14,3935.14 8465.03,3951.03 8518.75,3951.03 8518.79,3950.99 8616.99,3950.99 8627.39,3961.39 8627.39,3975.45 8636.53,3984.59 8684.59,3984.59 8718.99,4018.99 8718.99,4203.05 8752.53,4236.59 8774.59,4236.59 8800.19,4210.99 v2(8822.99,4210.99)
  L16_BOT w5: v2(8822.99,4210.99) 8823.31,4210.68 R238.2@8823.31,4182.99
NetR239_2: R239.2 U50.F8 | length 600.2
  L1_TOP w5: R239.2@9883.31,7872.99 v2(9883.31,7899.57) ; v1(10118.11,8248.03) U50.F8@10137.8,8267.72
  L8_R w3.8: v2(9883.31,7899.57) 9884.74,7899.57 10002.99,8017.83 10002.99,8078.99 10038.32,8114.32 10085.2,8114.32 10094.34,8123.46 10094.34,8136.38 10085.2,8145.52 10080.45,8145.52 10063.14,8162.83 10063.14,8183.14 10073.06,8193.06 10124.57,8193.06 10133.71,8202.2 10133.71,8232.43 v1(10118.11,8248.03)
NetR241_2: R241.2 U50.E9 | length 576.7
  L1_TOP w5: R241.2@9883.31,7812.99 v2(9883.31,7839.57) ; v1(10078.74,8208.66) U50.E9@10098.43,8228.35
  L8_R w3.8: v2(9883.31,7839.57) 9860.99,7861.89 9860.99,7922.99 9872.99,7934.99 9888.99,7934.99 9902.99,7948.99 9902.99,7978.99 9916.99,7992.99 9922.68,7992.99 9952.99,8023.31 9952.99,8152.99 10008.66,8208.66 v1(10078.74,8208.66)
NetR242_2: R242.2 U50.D8 | length 623.6
  L1_TOP w5: R242.2@9883.31,7752.99 v2(9883.31,7779.57) ; v1(10118.11,8169.29) U50.D8@10137.8,8188.98
  L8_R w3.8: v2(9883.31,7779.57) 9901.89,7760.99 9950.99,7760.99 9968.25,7778.25 9968.25,7834.63 10077.56,7943.94 10077.56,7971.56 10137.8,8031.8 10137.8,8149.61 v1(10118.11,8169.29)
NetR243_1: R243.1 U33.54 | length 643.1
  L1_TOP w5: U33.54@11521.14,8519.78 11588.22,8519.78 v6(11640,8468) ; R243.1@11789.68,8080 v2(11789.68,8112.58)
  L3_S w3.94: v6(11640,8468) 11609,8437 11609,8247 11707,8149 11753.27,8149 v2(11789.68,8112.58)
NetR245_2: R245.2 U50.M2 | length 292.1
  L1_TOP w5: U50.M2@10374.02,8503.94 v1(10393.7,8523.62) ; v2(10616.72,8522.99) R245.2@10643.31,8522.99
  L16_BOT w5: v1(10393.7,8523.62) 10411.07,8540.99 10492.99,8540.99 10510.99,8522.99 v2(10616.72,8522.99)
NetR246_2: R246.2 U50.H8 | length 509
  L1_TOP w5: R246.2@9717.68,8430.99 v2(9744.26,8430.99) ; v1(10118.11,8366.14) U50.H8@10137.8,8346.46
  L9_R w3.8: v2(9744.26,8430.99) 9740.99,8427.72 9740.99,8368.99 9759.44,8350.54 10102.51,8350.54 v1(10118.11,8366.14)
NetR250_2: R250.2 U2.AJ32 | length 702.5
  L1_TOP w5: U2.AJ32@8295.75,4033.86 v1(8315.43,4053.54)
  L14_S w3.8: v1(8315.43,4053.54) 8315.43,4070.85 8299.83,4086.45 8299.83,4099.38 8308.97,4108.51 8582.51,4108.51 8744.99,4270.99 v2(8822.99,4270.99)
  L16_BOT w5: v2(8822.99,4270.99) 8823.31,4270.68 R250.2@8823.31,4242.99
NetR251_2: R251.2 U2.AL33 | length 674
  L1_TOP w5: U2.AL33@8374.49,4073.23 v1(8394.17,4092.91)
  L14_S w3.8: v1(8394.17,4092.91) 8409.77,4077.31 8518.75,4077.31 8532.42,4090.99 8620.99,4090.99 8652.99,4122.99 8652.99,4148.08 8757.9,4252.99 8827.05,4252.99 8840.99,4266.93 8840.99,4312.99 v2(8822.99,4330.99)
  L16_BOT w5: v2(8822.99,4330.99) 8823.31,4330.68 R251.2@8823.31,4302.99
NetR255_1: R255.1 U1.AH10 | length 1678.5
  L1_TOP w5: v1(3798.31,3640.2) 3817.68,3620.83 U1.AH10@3818,3620.51 ; v2(4218.99,4791.65) R255.1@4218.99,4818.31
  L5_S w3.8: v2(3742.99,4612.99) 3794.59,4664.59 4091.94,4664.59 v2(4218.99,4791.65)
  L12_S w3.8: v2(3742.99,4612.99) 3698.99,4568.99 3696.99,4568.99 3696.99,3674.99 3712.99,3658.99 3779.52,3658.99 v1(3798.31,3640.2)
NetR264_1: R264.1 U1.AR35 | length 456
  L1_TOP w5: v1(3522.72,2616.57) U1.AR35@3542.41,2636.26
  L16_BOT w5: v1@3523.62,2618.11 3523.62,2616.57 3523.62,2613.36 3545.89,2591.09 3545.89,2570.49 3555.38,2561 3575.98,2561 3583.99,2552.99 3583.99,2409.99 3524.99,2350.99 3524.99,2280.68 3542.99,2262.68 R264.1@3542.99,2266.4
NetR265_2: R265.2 U1.AT35 | length 412.6
  L1_TOP w5: v1(3483.35,2616.57) U1.AT35@3503.04,2636.26
  L16_BOT w5: v1@3484.25,2618.11 3483.03,2616.89 3461.99,2595.85 3461.99,2303.68 3466.01,2299.66 3471.28,2299.66 3480.77,2290.17 3480.77,2284.9 R265.2@3502.99,2262.68
NetR266_1: R266.1 U1.AV21 | length 316
  L1_TOP w5: v1(3404.61,3207.13) 3423.98,3187.76 U1.AV21@3424.3,3187.44
  L16_BOT w5: R266.1@3154.68,3157.99 3162.49,3165.81 3195.69,3165.81 3215.37,3146.12 3342.97,3146.12 3404.29,3207.45 v1@3405.51,3208.66
NetR267_2: R267.2 U1.AW21 | length 266.9
  L1_TOP w5: v1(3365.24,3207.13) 3384.61,3187.76 U1.AW21@3384.93,3187.44
  L16_BOT w5: R267.2@3153.68,3195.99 3173.08,3195.99 3182.27,3205.18 3197.81,3205.18 3207.99,3194.99 3207.99,3189.99 3214.99,3182.99 3340.47,3182.99 3364.92,3207.45 v1@3366.14,3208.66